# Altium PCB Блок 1а (БУ АРМ).PcbDoc (part 2 of 4)
Units mm, origin at the board's own origin, x right, y up, seen from the top; angles counter-clockwise.
Board outline 220 x 306 mm, 6 copper layers (Top Layer, Top, Internal Plane 1, gnd, Mid-Layer 1, int1, Layer 1, Layer 2, Bottom Layer), stack 2.063 mm thick; 441 components, 363 nets, 1411 pads, 551 vias.
Unrouted connection lines stored in the file: 221.
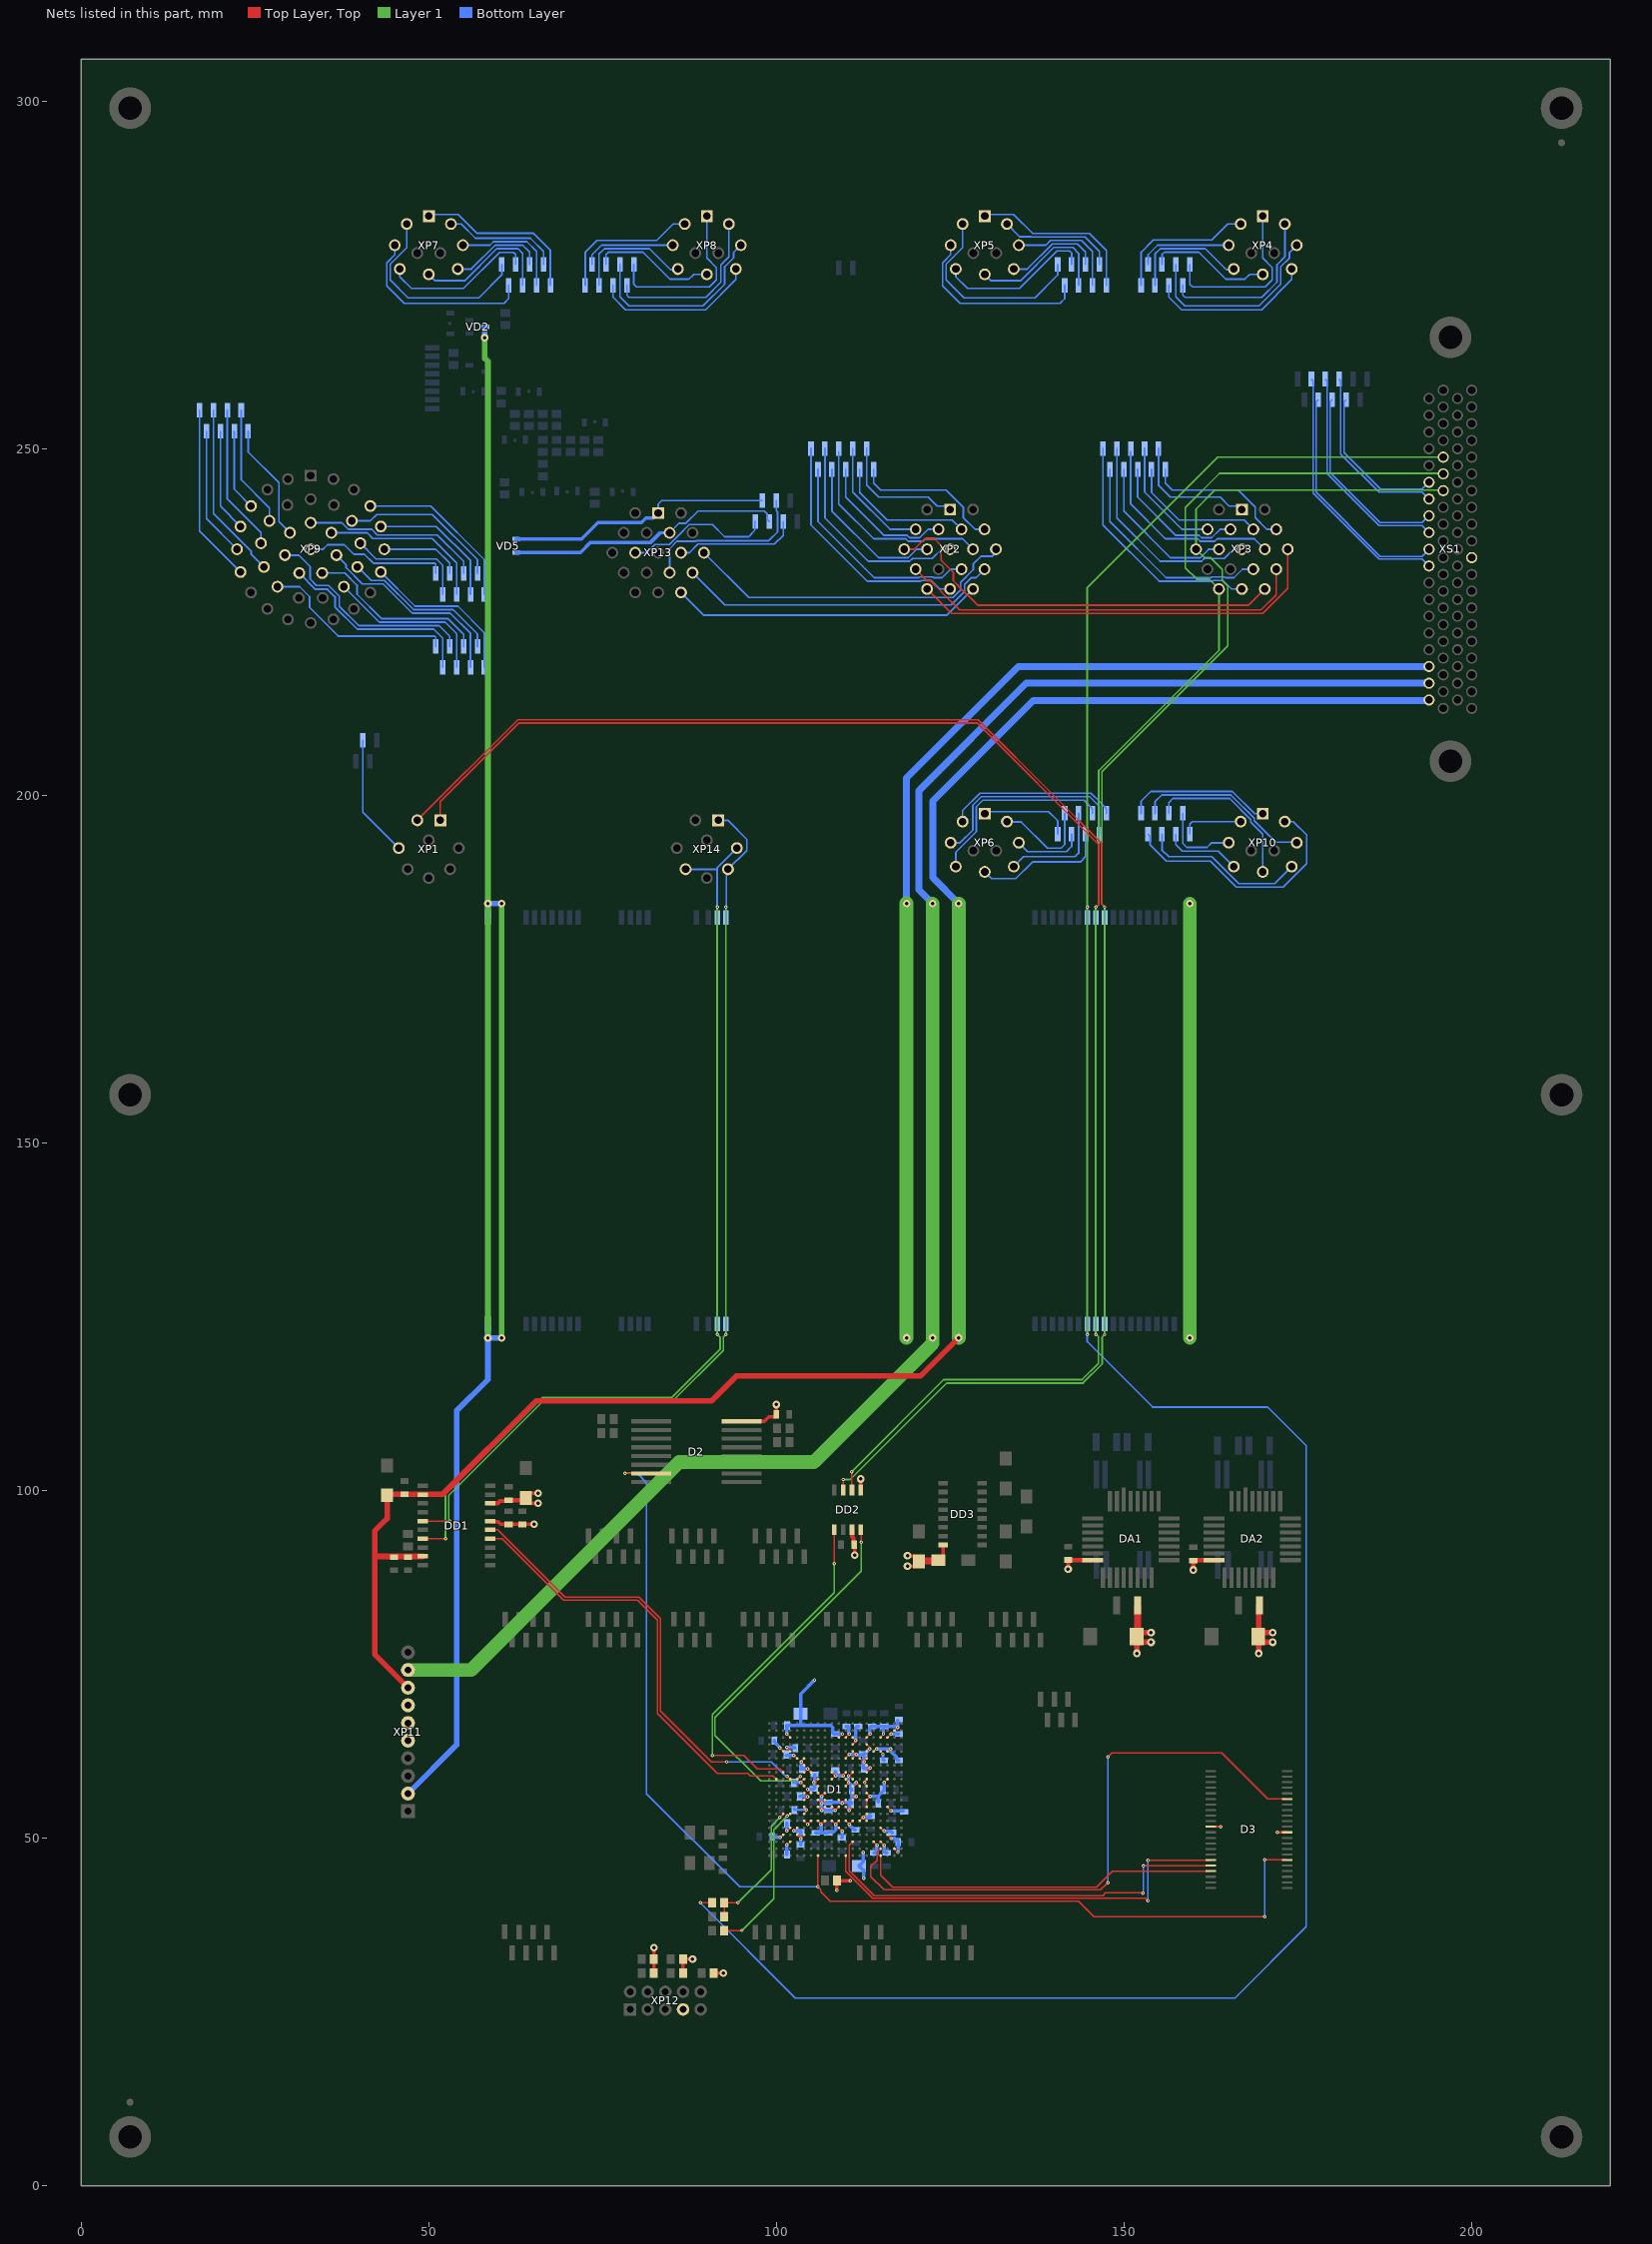
[diagram p6: the nets of this part, all layers, seen from the top]

## Footprints (in the part's own frame and the unit in brackets; to place one, negate y for a bottom-side part, rotate by r counter-clockwise, add the part's x,y. Pads: shape width x height; smd on the part's side, far side on the other; paste and mask are expansions set on the pad) (continued)
PBS-10R [mm]
  rect 2x2 hole 1 mask+0: 1(-11.43,0)
  round 2 hole 1 mask+0: 2(-8.89,0) 3(-6.35,0) 4(-3.81,0) 5(-1.27,0) 6(1.27,0) 7(3.81,0) 8(6.35,0) 9(8.89,0) 10(11.43,0)
  body extent -12.66,-0.2 12.74,10.1, height 2.55
PLD-10 [mm]
  rect 1.8x1.8 hole 1: 1(-5.08,-1.27)
  round 1.8 hole 1: 2(-5.08,1.27) 3(-2.54,-1.27) 4(-2.54,1.27) 5(0,-1.27) 6(0,1.27) 7(2.54,-1.27) 8(2.54,1.27) 9(5.08,-1.27) 10(5.08,1.27)
  body extent -6.34,-2.5 6.36,2.5, height 8.4
RELE-REK61_K_RELE-REK-61(Primary) [mm]
  rect 0.8x2.1 smd: 11(-3.125,-5.707) 12(0.625,-5.707) 13(-4.375,-5.707) 21(3.125,-5.707) 22(-0.625,-5.707) 23(4.375,-5.707) A(-1.875,-5.707) B(1.875,-5.707)
RK463_BQ_RK-463(Primary) [mm]
  rect 2x1.5 smd: 1(2.2,-1.4) 2(-2.2,-1.4) 3(-2.2,1.4) 4(2.2,1.4)
SOIC-8 [mm]
  rect 1.55x0.65 smd: 1(-2.857,1.905) 2(-2.858,0.635) 3(-2.857,-0.635) 4(-2.857,-1.905) 5(2.857,-1.905) 6(2.857,-0.635) 7(2.857,0.635) 8(2.857,1.905)
  body extent -3,-2.45 3,2.45, height 1.75
SOIC-16 [mm]
  rect 1.4x0.65 smd: 1(-2.8,4.445) 2(-2.8,3.175) 3(-2.8,1.905) 4(-2.8,0.635) 5(-2.8,-0.635) 6(-2.8,-1.905) 7(-2.8,-3.175) 8(-2.8,-4.445) 9(2.8,-4.445) 10(2.8,-3.175) 11(2.8,-1.905) 12(2.8,-0.635) 13(2.8,0.635) 14(2.8,1.905) 15(2.8,3.175) 16(2.8,4.445)
  body extent -3,-4.95 3,4.95, height 1.4
SOIC-20 [mm] "SOIC, 20-Leads, Body 12,80x7,50mm, Pitch 1,27mm, IPC Low Density"
  rect 1.5x0.65 smd: 1(-4.85,5.715) 2(-4.85,4.445) 3(-4.85,3.175) 4(-4.85,1.905) 5(-4.85,0.635) 6(-4.85,-0.635) 7(-4.85,-1.905) 8(-4.85,-3.175) 9(-4.85,-4.445) 10(-4.85,-5.715) 11(4.85,-5.715) 12(4.85,-4.445) 13(4.85,-3.175) 14(4.85,-1.905) 15(4.85,-0.635) 16(4.85,0.635) 17(4.85,1.905) 18(4.85,3.175) 19(4.85,4.445) 20(4.85,5.715)
  body extent -5.2,-6.3 5.2,6.3, height 2.6
TSOP-44 [mm]
  rect 1.5x0.3 smd: 1(-5.5,10.65) 2(-5.5,9.85) 3(-5.5,9.05) 4(-5.5,8.25) 5(-5.5,7.45) 6(-5.5,6.65) 7(-5.5,5.85) 8(-5.5,5.05) 9(-5.5,4.25) 10(-5.5,3.45) 11(-5.5,2.65) 12(-5.5,1.85) 13(-5.5,1.05) 14(-5.5,0.25) 15(-5.5,-0.55) 16(-5.5,-1.35) 17(-5.5,-2.15) 18(-5.5,-2.95) 19(-5.5,-3.75) 20(-5.5,-4.55) 21(-5.5,-5.35) 22(-5.5,-6.15) 23(5.5,-6.15) 24(5.5,-5.35) 25(5.5,-4.55) 26(5.5,-3.75) 27(5.5,-2.95) 28(5.5,-2.15) 29(5.5,-1.35) 30(5.5,-0.55) 31(5.5,0.25) 32(5.5,1.05) 33(5.5,1.85) 34(5.5,2.65) 35(5.5,3.45) 36(5.5,4.25) 37(5.5,5.05) 38(5.5,5.85) 39(5.5,6.65) 40(5.5,7.45) 41(5.5,8.25) 42(5.5,9.05) 43(5.5,9.85) 44(5.5,10.65)
XP_СНЦ144-8_13-Вилка [mm]
  rect 1.7x1.7 hole 1.1: A(1.65,3.99)
  round 1.7 hole 1.1: B(4.32,0) C(3.05,-3.05) D(0,-4.32) E(-3.05,-3.05) F(-4.32,0) G(-1.65,3.99) H(0,1.12)
  body extent -14.3,-14.3 14.3,14.3, height 35.9
XP_СНЦ144-10_13-вилка [mm]
  rect 1.7x1.7 hole 1.1: A(0,4.95)
  round 1.7 hole 1.1: B(3.18,3.81) C(4.9,0.76) D(4.17,-2.67) E(0,-3.43) F(-4.17,-2.67) G(-4.9,0.76) H(-3.18,3.81) J(1.65,-0.38) K(-1.65,-0.38)
  body extent -14.3,-14.3 14.3,14.3, height 35.9
XP_СНЦ144-19/15-вилка [mm]
  rect 1.7x1.7 hole 1.1: A(0,5.72)
  round 1.7 hole 1.1: B(3.3,5.72) C(4.95,2.87) D(6.6,0) E(4.95,-2.87) F(3.3,-5.72) G(0,-5.72) H(-3.3,-5.72) J(-4.95,-2.87) K(-6.6,0) L(-4.95,2.87) M(-3.3,5.72) N(-1.65,2.87) P(1.65,2.87) R(3.3,0) S(1.65,-2.87) T(-1.65,-2.87) U(-3.3,0) V(0,0)
  body extent -15.5,-15.5 15.5,15.5, height 34.9
XP_СНЦ144-41_21-вилка [mm]
  rect 1.7x1.7 hole 1.1: A(0,10.6)
  round 1.7 hole 1.1: aa(7.15,0.87) B(3.28,10.09) bb(6.73,-2.55) C(6.23,8.58) cc(4.78,-5.39) D(8.58,6.23) dd(1.72,-6.99) E(10.09,3.28) ee(-1.72,-6.99) F(10.6,0) ff(-4.78,-5.39) G(10.09,-3.28) gg(-6.73,-2.55) H(8.58,-6.23) hh(-7.15,0.87) ii(-5.93,4.09) J(6.23,-8.58) jj(-3.35,6.38) K(3.28,-10.09) kk(0,3.81) L(0,-10.6) M(-3.28,-10.09) mm(2.98,2.38) N(-6.23,-8.58) nn(3.71,-0.85) P(-8.58,-6.23) pp(1.65,-3.43) qq(-1.65,-3.43) R(-10.09,-3.28) rr(-3.71,-0.85) S(-10.6,0) ss(-2.98,2.38) T(-10.09,3.28) tt(0,0) U(-8.58,6.23) V(-6.23,8.58) W(-3.28,10.09) X(0,7.2) Y(3.35,6.38) Z(5.93,4.09)
  body extent -19.85,-19.88 19.85,19.82, height 34.8
К53-67 [mm]
  rect 2x1.7 smd: 1(-2.15,0) 2(2.15,0)
К53-68E [mm]
  rect 2x2.5 smd: 1(-3.35,0) 2(3.35,0)
ПЛАН_ПЛОЩ [mm]
  rect 2.1x0.8 smd: 1(0,0)
ТИЛ6В [mm]
  rect 4x0.8 smd: 1(-6.5,3.75) 2(-6.5,2.5) 3(-6.5,-3.75) 4(-6.5,-2.3) 5(6.5,-3.75) 6(6.5,-2.5) 7(6.5,2.5) 8(6.5,3.75)

## Part data
BQ1: library part РК463-5ДС, "Кварцевый резонатор", PartNumber="Резонатор РК463-5ДС-16,0М", TU=ТУ6321-011-07604008-07, TUHolder="\"Пьезотрон\"", TypePrefix=BQ
C1 C2: library part К53-67, "Оксидно-полупроводниковый танталовый чип-конденсатор серии К53-68", PartNumber="К53-67 \"*\"-* В-* мкФ ±*%", TU="АЖЯР.673546.006 ТУ", TUHolder="ОАО НИИ \"ГИРИКОНД\"", TypePrefix=C
C4 C5 C7 C8 C10 C11 C13 C14 C16 C17 C19 C20 C22 C23 C25 C26 C29 C30 C32 C33 C35 C36 C38 C39 C41 C43 C46 C48 C50 C53 C56 C58 C59 C61 C62 C64 C65 C67 C70 C73 C76 C79 C82 C97 C104 C105 C107: library part К10-69_0.1mk, "Керамический чип-конденсатор серии К10-69", PartNumber="К10-69в-*-* В- * ± *% *", TU=АЖЯР.673511.002ТУ, TUHolder="ОАО НИИ \"ГИРИКОНД\"", TypePrefix=C
C28 C44: library part К10-69в_15p, "Конденсатор неполярный"
C96 C98 C99 C112: library part К10-69_0.1mk, "Керамический чип-конденсатор серии К10-79", PartNumber="К10-69в-*-* В- * ± *% *", TU=АЖЯР.673511.002ТУ, TUHolder="ОАО НИИ \"ГИРИКОНД\"", TypePrefix=C
C100 C101: library part К53-68E, "Конденсатор полярный"
C102 C103: library part К10-69_0.01p, "Керамический чип-конденсатор серии К10-79", PartNumber="К10-69в-*-* В- * ± *% *", TU=АЖЯР.673511.002ТУ, TUHolder="ОАО НИИ \"ГИРИКОНД\"", TypePrefix=C
C106 C108: library part К53-68B, "Конденсатор /  полярный"
C109 C110 C111 C113 C114: library part К53-68B_0.1mk, "Конденсатор /  полярный", PartNumber="К53-68 \"C\" - 25В - 4.7мкФ ±10%", Prefix=C, TU=АЖЯР.673546.007, TUHolder="ОАО \"Элеконд\", Россия, г.Сарапул", TypePrefix=Конденсатор
D1: "МК 1921ВК028", PartNumber=1921ВК028, Prefix=D, TU=АЕНВ.431290.444ТУ, TUHolder="АО «НИИЭТ», Россия, г.Воронеж", TypeName="Микросхемы интегральные", TypePrefix=Микроконтроллер
D2: "Два селектор-мультиплексора 4-1", PackegeType=402.16-32, PartNumber=1554КП12ТБ, TU=АЕЯР.431200.182-15ТУ, TUHolder="\"Интеграл\"", TypePrefix=D
D3: "СОЗУ CY62136EV30 256КБ", PartNumber=CY62136EV30, Prefix=D, TUHolder="\"Cypress Semiconductor\",США", TypePrefix="Статическая память"
DA1 DA2: "МКИО приемопередатчик 5559ИН13Т", PartNumber=5559ИН13У1, Prefix=DA, TipeName=Приемопередатчики, TU=АЕЯР.431230.591ТУ, TUHolder="ОАО НПО \"Физика\",Россия, г. Москва", TypePrefix="Приемопердатчик МКИО"
DD1: "Микросборка CAN с гальванической развязкой", PartNumber=ADM3053BRWZ-REEL7_1, Prefix=DD, TUHolder="Analog Devices, США", TypeName=Приемопередатчики, TypePrefix=Приемопередатчик
DD2: "CAN Приемопередатчик  ILA82C251D", PartNumber=ILA82C251D, Prefix=DD, TipeName=Приемопередатчики, TUHolder="ОАО \"ИНТЕГРАЛ\", Республика Беларусь, г.Минск", TypePrefix="Приемопередатик CAN"
DD3: "RS-232 Приемопередатчик ILX3232", PartNumber=ILX3232, Prefix=DD, TUHolder="ОАО \"ИНТЕГРАЛ\", Республика Беларусь, г.Минск", TypeName=Приемопередатчики, TypePrefix="Приемопередатчик RS-232"
N1 N2 N3 N4 N5 N6 N7 N8 N9 N10 N11 N12 N13 N14 N15 N16 N17 N18 N19 N20 N21 N22 N27 N28 N29 N30 N31 N32 N33 N34 N35 N36 N37 N38 N39 N40 N41 N42 N43 N44 N45 N46 N47 N48 N49 N50 N51 N52 N53 N54 N55 N56 N57 N58 N59 N60 N61 N62 N63 N64 N65 N66 N67 N68 N69 N70 N75 N76 N77 N78 N79 N80 N81 N82 X1 X2 X3 X4 X5 X6 X7 X8 X9 X10 X11 X12 X13 X14 X15 X16 X17 X18 X19 X20 X21 X22 X23 X24 X25 X26 X27 X28 X29 X30 X31 X32 X33 X34 X35 X36 X37 X38 X39 X40 X41 X42 X43 X44 X45 X46 X47 X48 X49 X50 X51 X52 X53 X54 X55 X56 X57 X58 X59 X60 X61 X62 X63 X64 X65 X66 X67 X68 X69 X70 X71 X72 X73 X74 X75 X76 X77 X78 X79 X80 X81 X82 X83 X84 X85 X86 X87 X88 X89 X90 X91 X92 X93 X94 X95 X96 X97 X98 X99 X100 X101 X102 X103 X104 X105 X106 X107 X108 X109 X110 X111 X112 X113 X114 X115 X116 X117 X118 X119 X120 X121 X122 X123 X124 X125 X126 X127 X128 X129 X130 X131 X132 X133 X134 X135 X136 X137 X138 X139 X140 X141 X142 X143 X144 X145 X146 X147 X148 X149 X150 X151 X152 X153 X154 X155 X156 X157 X158 X159 X160 X161 X162 X163 X164 X165 X166 X167 X168 X169 X170 X171 X172 X173 X174 X175 X176 X177 X178 X179 X180 X181 X182 X183 X184 X185 X186 X187 X188 X189 X190 X191 X192 X193 X194 X195 X196 X197 X198 X199 X200 X201 X202 X203 X204 X205 X206 X207 X208 X209 X210 X211 X212 X213 X214 X215 X216 X217 X218 X219 X220 X221 X222 X223 X224 X225 X226 X227 X228: "CONT1_SMD", PartNumber="контактное поле"
R1 R2: library part Р1-12-0,5, "Резистор постоянный"
R3: library part Р1-12-0,125, "Резистор постоянный"
R4 R5 R6 R7: library part Р1-12-0,5_56, "Резистор постоянный"
R8 R9 R10 R11 R12 R13 R14 R15 R16 R17 R18 R19 R20 R21 R22 R23 R24 R25 R26 R27 R28 R29 R30 R31 R32 R33 R34: library part Р1-12_47k, "Постоянные непроволочные безвыводные резисторы общего применения Р1-12", PartNumber=Р1-12-*-*±*%-*, TU="АЛЯР.434110.005 ТУ", TUHolder="ЗАО \"РЕОМ\"", TypePrefix=R
R35: library part Р1-12_10k, "Постоянные непроволочные безвыводные резисторы общего применения Р1-12", PartNumber=Р1-12-*-*±*%-*, TU="АЛЯР.434110.005 ТУ", TUHolder="ЗАО \"РЕОМ\"", TypePrefix=R
VD1 VD2 VD5: "2Д707АС9 диод импульсный", PartNumber=2Д707АС9, TU=аА0.339.583ТУ, TUHolder="ООО \"НПК ДАЛЕКС\"", TypePrefix=VD
VD3 VD4: "Диод Шоттки", PackegeType=КТ-99-1, PartNumber=2ДШ2123Г95, TU=АЕЯР.432120.567ТУ, TUHolder="ОА ВЗПП-С", TypePrefix=VD
VT1 VT2 VT3: "npn кремниевый транзистор", PackegeType=КТ-47, PartNumber=2T665A9, TU=аА0.339.559ТУ, TUHolder="ЗАО \"Группа Кремний Эл\"", TypePrefix=Транзистор
VT4 VT5 VT6: "pnp кремниевый транзистор", PackegeType=КТ-47, PartNumber=2T664A9, TU=аА0.339.559ТУ, TUHolder="ЗАО \"Группа Кремний Эл\"", TypePrefix=Транзистор
XP1 XP14: "ВИЛКА СНЦ144-8 СОСТАВНАЯ", PartNumber=СНЦ144-8/13ВП21-NWПС, TU=ЦСНК.430421.008ТУ, TUHolder="ОАО 'Уральский завод электрических соединителей 'ИСЕТЬ', Россия, г. Каменск-Уральский", TypePrefix="Изделия соеденительные"
XP2 XP3 XP13: "ВИЛКА СНЦ144-19 СОСТАВНАЯ", PartNumber=СНЦ144-19/15ВП21-NWПС, TU=ЦСНК.430421.008ТУ, TUHolder="ОАО 'Уральский завод электрических соединителей 'ИСЕТЬ', Россия, г. Каменск-Уральский", TypePrefix="Изделия соеденительные"
XP4 XP5 XP6 XP7 XP8 XP10: "ВИЛКА СНЦ144-10 СОСТАВНАЯ", PartNumber=СНЦ144-10/13ВП21-NWПС, TU=ЦСНК.430421.008ТУ, TUHolder="ОАО 'Уральский завод электрических соединителей 'ИСЕТЬ', Россия, г. Каменск-Уральский", TypePrefix="Изделия соеденительные"
XP9: "ВИЛКА СНЦ144-41 СОСТАВНАЯ", PartNumber=СНЦ144-41/21ВП21-NWПС, TU=ЦСНК.430421.008ТУ, TUHolder="ОАО 'Уральский завод электрических соединителей 'ИСЕТЬ', Россия, г. Каменск-Уральский", TypePrefix="Изделия соеденительные"
Т1 Т2: library part ТИЛ6В, "Трансформатор для ГОСТ Р 52070-2003"
K1: TU=РВИМ.647611.008ТУ
XP12: TU=РЮМК.430420.011ТУ

## Free pads (board coordinates)
  round 6 hole 3.4: 0(7,7) 0(7,157) 0(7,299) 0(213,7) 0(213,157) 0(213,299)
  round 1 smd: 486(7,12) 486(213,294)

## Via types
v1: diameter 0.5, hole 0.2, Top Layer, Top to Bottom Layer, tented both sides, 339 vias
v2: diameter 1.1, hole 0.5, Top Layer, Top to Bottom Layer, 100 vias
v3: diameter 0.5, hole 0.2, Top Layer, Top to Bottom Layer, 90 vias
v4: diameter 1.1, hole 0.5, Top Layer, Top to Bottom Layer, tented both sides, 22 vias

## Nets (pads, with @x,y where several pads share a name; then routed paths per layer and width w, separated by ;. In a path a pad name is that pad's centre, name@x,y a point inside that pad or via, vN(x,y) a via of type N, cw(c..) or ccw(c..) an arc to the next point about the centre after c; other vN are vias at no path point)
+1.2V: C1.1 C5.1 C8.1 C11.1 C14.1 C17.1 C20.1 C23.1 C26.1 C30.1 C33.1 C36.1 C39.1 C58.1 C61.1 C64.1 C67.1 C70.1 C73.1 C76.1 C79.1 C82.1 D1.B19 D1.C12 D1.C15 D1.C17 D1.E3 D1.E16 D1.E18 D1.F5 D1.H10 D1.H11 D1.H12 D1.H13 D1.J8 D1.J10 D1.J12 D1.J13 D1.K8 D1.K12 D1.K13 D1.K14 D1.L7 D1.L8 D1.L9 D1.L13 D1.M8 D1.M9 D1.M11 D1.M12 D1.M13 D1.N8 D1.N9 D1.N10 D1.N11 D1.N12 D1.N13 D1.N18 D1.R5 D1.R11 D1.S3 D1.S5 D1.S6 D1.S18 D1.T16 D1.U19 XP11.5 | length 81.7
  Top Layer, Top w0.25: v1@100.53,62.97 D1.E3@101,62.5 ; v1(100.542,50.15) 100.59,50.198 100.66,50.198 100.962,50.5 D1.S3@101,50.5 ; v1(102.5,51.036) 102.518,51.036 102.982,51.5 D1.R5@103,51.5 ; v1@102.55,61.911 102.962,61.5 D1.F5@103,61.5 ; D1.S5@103,50.5 103,50.465 103.5,49.964 v1(103.5,49.929) ; v1@103.5,50.03 103.97,50.5 D1.S6@104,50.5 ; v1(104.5,57.025) 104.5,57.013 105,56.513 D1.L7@105,56.5 ; v1(105.407,58) 105.462,58 105.962,57.5 D1.K8@106,57.5 ; v1@105.53,58.03 D1.J8@106,58.5 ; D1.N8@106,54.5 106.007,54.5 106.507,54 v1(106.514,54) ; D1.M8@106,55.5 106.007,55.5 106.507,55 v1(106.514,55) ; D1.L8@106,56.5 106.006,56.5 106.507,55.999 v1(106.514,55.999) ; v1@106.5,54.03 106.97,54.5 D1.N9@107,54.5 ; v1@106.5,55.03 106.97,55.5 D1.M9@107,55.5 ; v1@106.5,56.03 106.97,56.5 D1.L9@107,56.5 ; D1.N10@108,54.5 108.47,54.03 108.5,54.03 108.97,54.5 D1.N11@109,54.5 ; D1.J10@108,58.5 108.021,58.5 108.521,59 v1(108.542,59) ; D1.H10@108,59.5 108,59.47 v1@108.47,59 ; D1.R11@109,51.5 v1@109.47,51.03 ; D1.M11@109,55.5 109.014,55.5 109.478,55.036 109.514,55.036 109.978,55.5 D1.M12@110,55.5 ; D1.H11@109,59.5 109.452,59.048 109.602,59.048 v1(109.65,59) ; v1@109.538,59 109.582,59 109.698,59.116 109.698,59.159 110,59.462 D1.H12@110,59.5 ; D1.N12@110,54.5 110.47,54.03 110.5,54.03 110.97,54.5 D1.N13@111,54.5 ; D1.K12@110,57.5 110,57.538 110.338,57.876 110.338,57.952 v1(110.386,58) ; D1.J12@110,58.5 110,58.47 v1@110.47,58 ; D1.C12@110,64.5 v1@110.47,64.97 ; v1(110.386,59) 110.433,58.952 110.512,58.952 110.964,58.5 D1.J13@111,58.5 ; v1@110.492,58.964 111,59.472 D1.H13@111,59.5 ; D1.M13@111,55.5 111.47,55.97 111.47,56 111,56.47 D1.L13@111,56.5 ; D1.K13@111,57.5 111,57.508 111.486,57.994 v1(111.486,58.002) 111.492,58.002 111.994,57.5 D1.K14@112,57.5 ; D1.C15@113,64.5 113,64.51 113.45,64.96 v1@113.45,64.97 ; D1.T16@114,49.5 v1@114.47,49.03 ; D1.E16@114,62.5 114.038,62.5 114.374,62.836 v1(114.44,62.836) ; D1.C17@115,64.5 115,64.538 115.416,64.954 v1(115.416,65) ; D1.S18@116,50.5 116,50.484 116.508,49.975 v1@116.508,49.959 ; D1.N18@116,54.5 116,54.462 116.477,53.985 v1@116.477,53.934 ; D1.E18@116,62.5 116.038,62.5 116.32,62.782 v1@116.397,62.782 ; D1.U19@117,48.5 v1@117.47,48.03 ; D1.B19@117,65.5 117.01,65.5 117.46,65.95 v1(117.47,65.95)
  Bottom Layer w0.25: C30.1@105.492,59.186 C30.1@105.53,59.148
  Bottom Layer w0.5: C64.1@99.442,50.236 99.528,50.15 v1(100.542,50.15) ; C76.1@99.742,64.036 99.742,63.836 100.53,63.048 v1@100.53,62.97 ; C73.1@101.458,61.911 v1@102.496,61.911 ; v1(102.5,51.036) 103.442,51.036 103.492,50.986 v1@103.492,49.929 ; C67.1@103.492,49.036 103.492,49.186 103.492,49.921 v1(103.5,49.929) ; v1(104.5,57.025) 105.281,57.025 105.306,57 105.53,57.224 105.518,57.236 105.433,57.236 105.433,57.974 v1(105.407,58) ; v1@105.53,58.03 C30.1@105.53,59.148 ; v1@106.47,55.03 v1@106.47,55.186 ; v1@106.494,54.03 107.448,54.03 C36.1@107.492,53.986 107.536,54.03 v1@108.47,54.03 ; v1(106.514,54) 106.494,54.02 106.494,54.98 v1(106.514,55) ; v1(106.514,55.999) 106.47,55.955 v1@106.47,55.186 ; C8.1@108.47,59.647 108.47,59.072 v1(108.542,59) ; 108.706,59.381 109.087,59 v1(109.65,59) ; C5.1@109.392,50.086 109.47,50.164 v1@109.47,51.03 ; C70.1@110.092,66.086 110.292,66.086 110.442,65.936 110.442,64.997 v1@110.47,64.97 ; v1(110.386,58) v1(110.386,59) ; v1@110.47,54.03 110.47,55.085 C11.1@110.571,55.186 ; v1@110.47,57.97 110.696,57.744 C14.1@110.696,57.421 ; C11.1@110.846,55.036 C11.1@110.846,55.461 ; v1@111.47,55.97 110.929,55.97 110.846,55.886 ; v1(111.486,58.002) 110.905,57.421 C14.1@110.696,57.421 ; v1(112.5,48) 112.5,46.6 C1.1@111.9,46 112.5,45.4 112.55,45.4 v1(112.55,44.25) ; v1@113.45,64.97 113.45,65.936 113.6,66.086 C20.1@115.542,66.086 ; C82.1@114.092,47.886 114.276,47.886 114.426,48.036 114.426,48.926 v1(114.5,49) ; v1(114.44,62.836) 114.446,62.83 v1(116.444,62.83) 116.444,62.503 117.292,61.655 117.292,61.326 117.442,61.176 C17.1@117.628,61.176 ; v1(115.416,65) 115.416,65.96 C20.1@115.542,66.086 ; v1@116.477,53.934 116.479,53.936 C58.1@118.242,53.936 ; v1@116.508,49.959 117.019,49.959 117.192,49.786 117.392,49.786 117.542,49.636 117.542,48.102 v1@117.47,48.03 ; v1(117.47,65.95) 117.333,66.086 C20.1@115.542,66.086 ; v1@117.47,65.97 C23.1@117.47,66.936 ; v1@106.47,55.186 C39.1@107.492,55.186 C11.1@110.571,55.186 ; C11.1@110.571,55.186 C11.1@110.846,55.461 ; C14.1@110.696,57.421 110.696,57.099 C14.1@110.846,56.949 110.846,55.886 ; C11.1@110.846,55.461 110.846,55.886
  other v1: 117.5,48 116.5,49.95 109.47,51 116.5,53.925 108.5,54 110.5,54 109.5,55 111.5,56 102.525,61.9 100.5,63 110.5,65 113.5,65
+3.3V: C2.1 C4.1 C7.1 C10.1 C13.1 C16.1 C19.1 C22.1 C25.1 C29.1 C32.1 C35.1 C38.1 C41.1 C43.1 C46.1 C48.1 C50.1 C53.1 C56.1 C59.1 C62.1 C65.1 C97.1 C102.2 C109.1 C112.1 C114.1 D1.C4 D1.C11 D1.C13 D1.C18 D1.D13 D1.D15 D1.E4 D1.E13 D1.E15 D1.E17 D1.F6 D1.F12 D1.F13 D1.F14 D1.F15 D1.G6 D1.G15 D1.H6 D1.H7 D1.H15 D1.J6 D1.J15 D1.J18 D1.K6 D1.K15 D1.L6 D1.L15 D1.M6 D1.M15 D1.N6 D1.N15 D1.P6 D1.P15 D1.Q6 D1.Q7 D1.Q8 D1.Q9 D1.Q10 D1.Q11 D1.Q12 D1.Q13 D1.Q14 D1.Q15 D1.R4 D1.R17 D1.T4 D1.T17 D2.16 D3.11 D3.33 DD1.6 DD3.16 N61.1 N62.1 R30.2 R31.2 R32.2 R33.2 R34.2 R35.2 XP11.6 XP12.7 XS1.10 | length 188.4
  Top Layer, Top w0.25: v1(101.5,49.05) 101.525,49.05 101.975,49.5 D1.T4@102,49.5 ; v1(101.5,51.036) 101.518,51.036 101.982,51.5 D1.R4@102,51.5 ; v1(101.5,63.092) 101.5,63.038 102,62.538 D1.E4@102,62.5 ; v1@101.53,64.97 D1.C4@102,64.5 ; v1@103.53,61 104,61.47 D1.F6@104,61.5 ; v1@103.6,60.938 104,60.538 D1.G6@104,60.5 ; D1.Q6@104,52.5 104.03,52.5 104.5,52.03 104.53,52.03 D1.Q7@105,52.5 ; D1.P6@104,53.5 104,53.538 104.382,53.92 v1@104.382,54.046 ; D1.N6@104,54.5 104,54.462 104.314,54.148 v1(104.314,54.093) ; D1.M6@104,55.5 104.035,55.5 v1@104.461,55.925 ; D1.L6@104,56.5 104.475,56.026 v1@104.475,56 ; D1.K6@104,57.5 104,57.514 103.492,58.022 103.492,58.036 103.514,58.036 103.978,58.5 D1.J6@104,58.5 ; D1.H6@104,59.5 104.47,59.97 104.5,59.97 104.97,59.5 D1.H7@105,59.5 ; D1.Q8@106,52.5 106,52.494 106.442,52.051 v1@106.442,52.045 ; v1@106.464,52.066 106.515,52.066 106.949,52.5 D1.Q9@107,52.5 ; D1.Q10@108,52.5 108.036,52.5 108.505,52.031 v1@108.542,52.031 ; v1@108.536,52.037 108.542,52.037 109,52.494 D1.Q11@109,52.5 ; D1.C11@109,64.5 109.012,64.5 109.512,65.001 v1(109.524,65.001) ; D1.Q12@110,52.5 110.03,52.5 110.5,52.03 110.53,52.03 D1.Q13@111,52.5 ; D1.F12@110,61.5 110,61.536 110.5,62.036 v1(110.5,62.073) ; D1.F13@111,61.5 111,61.536 111.5,62.037 v1(111.5,62.073) ; D1.E13@111,62.5 111,62.47 111.448,62.021 111.466,62.003 v1@111.47,62 ; D1.D13@111,63.501 111.402,63.904 111.402,64.035 v1@111.419,64.051 ; D1.C13@111,64.5 111,64.47 v1@111.419,64.051 ; v1(111.45,64.082) v1@111.419,64.051 ; v1@111.47,64 v1@111.419,64.051 ; D1.Q14@112,52.5 112,52.522 112.492,53.014 112.492,53.022 113,52.514 D1.Q15@113,52.5 ; D1.F14@112,61.5 112.038,61.5 112.564,60.973 v1(112.631,60.973) ; v1@112.488,53.018 v1@112.492,53.022 ; v1@112.492,53.036 v1@112.492,53.022 ; v1@112.53,61.03 D1.F15@113,61.5 ; v1@112.679,58.048 112.679,58.142 113,58.462 D1.J15@113,58.5 ; v1(112.736,58) 112.784,57.952 112.784,57.754 113,57.538 D1.K15@113,57.5 ; D1.P15@113,53.5 113,53.53 v1@112.492,53.022 ; D1.N15@113,54.5 D1.M15@113,55.5 113,55.516 113.442,55.958 v1@113.442,55.975 ; D1.L15@113,56.5 113.47,56.03 v1@113.47,56 ; D1.H15@113,59.5 113.445,59.945 v1@113.445,60.054 ; D1.G15@113,60.5 v1@113.445,60.054 ; D1.E15@113,62.5 113.025,62.5 v1@113.4,62.876 ; D1.D15@113,63.5 113,63.491 113.398,63.092 113.398,62.878 v1@113.4,62.876 ; v1(113.446,62.83) v1@113.4,62.876 ; v1@113.47,60.03 v1@113.445,60.054 ; v1@113.475,62.95 v1@113.4,62.876 ; v1(113.492,60.102) v1@113.445,60.054 ; D1.T17@115,49.5 v1@115.47,49.03 ; D1.R17@115,51.5 115.034,51.5 v1@115.468,51.066 ; D1.E17@115,62.5 115,62.462 115.296,62.166 115.296,62.096 v1(115.344,62.049) ; v1@115.49,58 115.495,58 115.995,58.5 D1.J18@116,58.5 ; D1.C18@116,64.5 116.008,64.5 116.508,65 v1(116.516,65)
  Top Layer, Top w0.3: D3.33@162.5,51.65 v1@163.932,51.65 ; v1(172.056,50.862) 172.068,50.85 D3.11@173.5,50.85
  Top Layer, Top w0.5: DD1.6@58.85,95.635 58.925,95.56 59.94,95.56 60.334,95.166 C102.2@63.633,95.166 ; C102.2@63.614,95.147 C102.2@63.633,95.166 ; v2(65.136,95.184) 65.117,95.166 C102.2@63.633,95.166 ; R30.2@82.371,30.592 R31.2@82.371,32.592 82.387,32.608 82.387,34.211 v2(82.403,34.227) ; R32.2@86.571,30.592 R33.2@86.571,32.592 v2(87.96,32.592) ; R34.2@90.975,30.6 v2(92.364,30.6) ; D2.16@95.025,110 D2.16@95.025,110 98.259,110.002 98.907,110.65 99.85,110.65 100,110.8 C112.1@100,111 ; C112.1@100.003,111.266 100.002,111.268 100.002,112.401 v2(100.003,112.403) ; v1(108.726,42.526) R35.2@108.726,43.915 ; R35.2@108.988,44.078 108.988,43.911 109.051,43.849 v1(110.626,43.849) ; v2(118.872,89.156) 118.891,89.175 C114.1@120.375,89.175 ; v2(118.872,90.681) 118.953,90.6 119.9,90.6 120.5,90 C114.1@120.5,89.85 ; C109.1@123.35,90 123.414,90 124.014,90.6 DD3.16@124.014,92.203
  Top Layer, Top w1: C114.1@120.5,89.85 120.575,89.925 123.275,89.925 C109.1@123.35,90
  Layer 1 w2: v2(159.5,122) v2(159.5,184.5)
  Bottom Layer w0.4: C32.1@102.6,54.09 C32.1@102.6,54.29 ; C32.1@102.8,54.084 102.8,54.093 v1(104.314,54.093)
  Bottom Layer w0.5: v1@101.5,64.97 101.544,65.014 C56.1@101.544,66.239 103.51,66.239 ; v1(101.5,49.05) 101.5,47.695 C10.1@101.544,47.651 ; v1(101.5,51.036) 101.53,51.066 101.53,52.122 C62.1@101.544,52.136 ; v1(101.5,63.092) 102.587,63.092 C65.1@102.674,63.005 ; C41.1@102.55,58.036 v1@103.492,58.036 ; C35.1@103.4,56.036 104.386,56.036 v1(104.497,55.925) ; 103.51,66.439 C2.1@103.51,67.924 103.51,70.76 v1(105.5,72.75) ; v1(103.6,61) 103.6,60.044 103.526,59.97 v1@104.47,59.97 ; 103.71,66.239 107.849,66.239 108.142,65.946 108.142,65.136 108.292,64.986 C48.1@108.492,64.986 108.507,65.001 v1(109.524,65.001) ; C4.1@105.692,50.786 106.542,50.786 ; v1@106.442,52.045 106.442,50.886 106.542,50.786 ; v1@108.542,52.031 108.542,51.229 108.249,50.936 107.642,50.936 C7.1@107.492,50.786 106.542,50.786 ; v1(110.5,62.073) v1(111.5,62.073) ; v1@110.53,52.03 110.53,51.848 111.192,51.186 C29.1@111.392,51.186 ; v1(111.45,64.082) 111.45,65.936 111.6,66.086 C13.1@111.792,66.086 ; v1@111.529,61.998 112.371,61.998 C43.1@112.521,62.148 112.521,62.031 112.553,61.998 112.553,61.051 v1(112.631,60.973) ; v1@112.492,53.036 113.442,53.036 C25.1@113.592,53.186 C25.1@113.47,53.308 ; v1@112.53,60.973 112.53,60.11 C22.1@112.586,60.054 113.445,60.054 v1(113.492,60.102) ; C43.1@112.721,62.148 113.403,62.83 v1(113.446,62.83) ; v1@113.442,55.975 113.497,56.03 114.642,56.03 ; C19.1@114.642,55.236 114.642,56.03 ; v1(115.344,62.049) 115.344,61.326 115.462,61.208 C46.1@115.51,61.208 ; v1@115.49,58 115.49,56.878 115.484,56.878 115.192,56.586 115.192,56.58 114.642,56.03 ; v1(115.5,49) 115.542,48.958 115.542,48.036 115.692,47.886 C50.1@115.892,47.886 ; v1(115.501,51.066) 115.608,50.959 116.529,50.959 C53.1@116.679,50.809 ; v1(116.516,65) 116.53,64.986 C38.1@117.628,64.986